# KiCad board central-control-unit.kicad_pcb (continued)
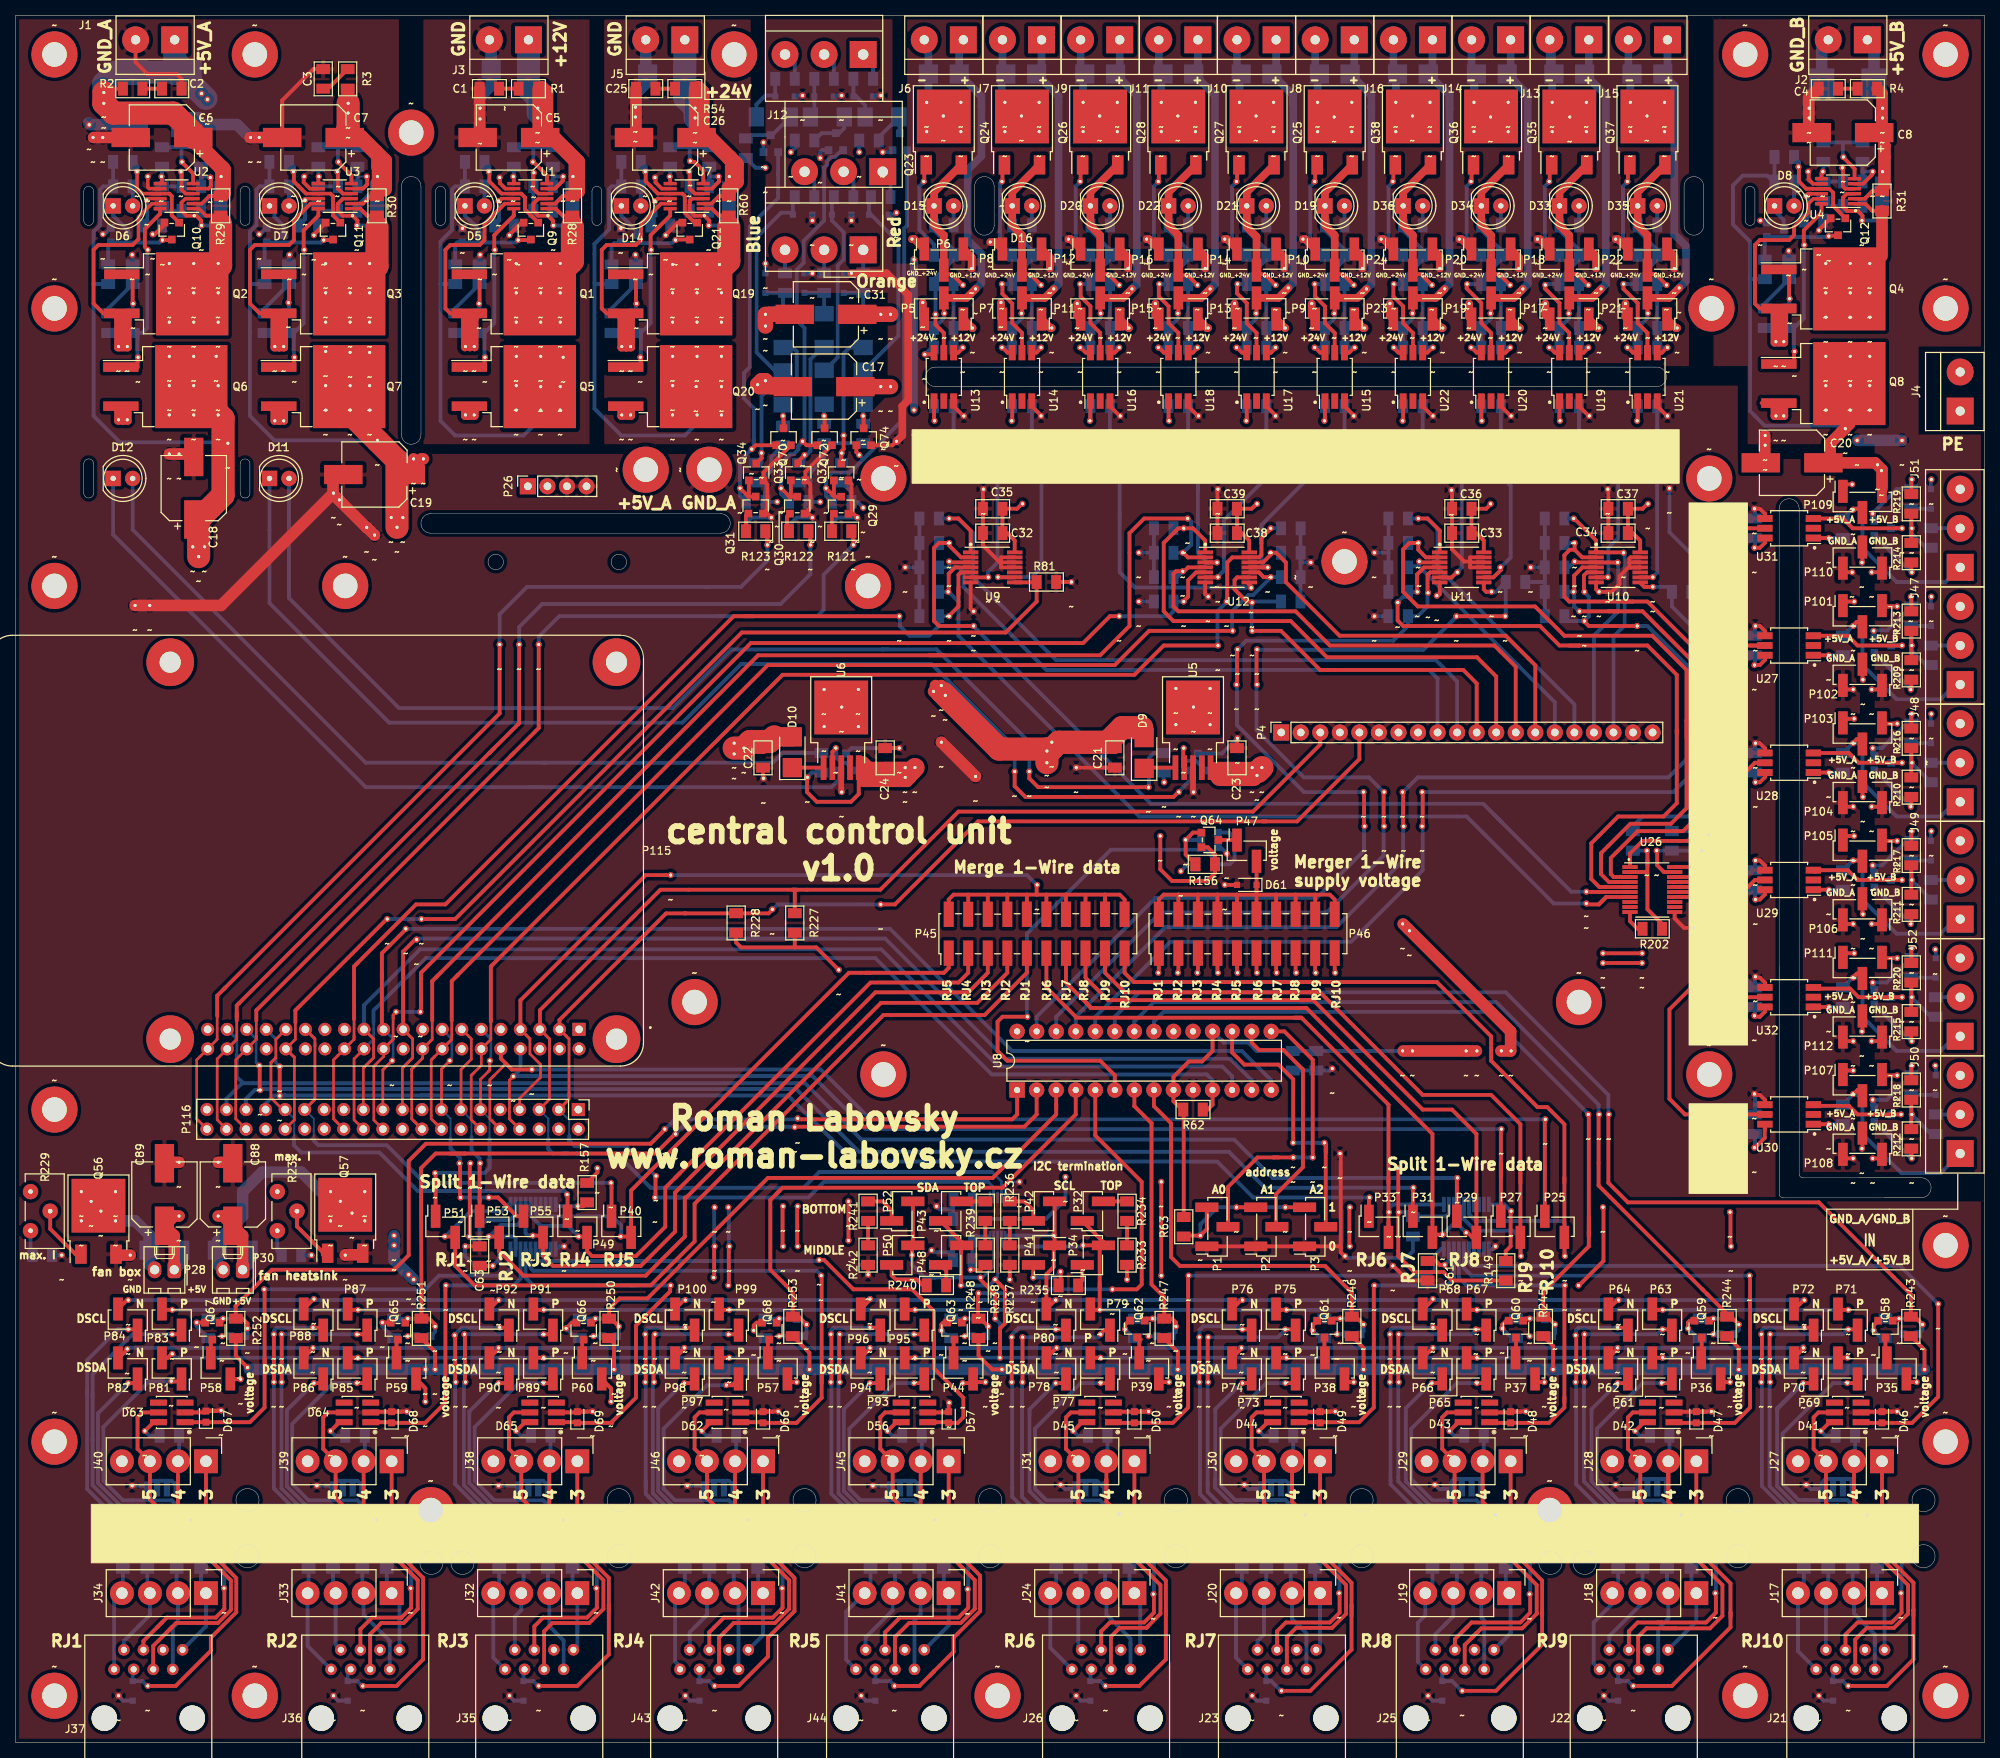
[diagram p0: board, top side]
## Routing (per net, layer and track width the routed paths; a pad name or vN(x,y) marks a point on that pad's centre or on a via; arc(x,y) is an arc through that point) (continued)
OUTDOOR_SENSOR_DSDA_N_CON: length 13.5
  Bottom w0.5: J44.7 116.84,15.92 117.64,16.72 J41.2 117.48,19.6 R195.1
OUTDOOR_SENSOR_DSDA_P_CON: length 12.1
  Bottom w0.5: R194.1 120.65,20.07 J41.1 121.29,15.24 J44.8
PCB_FREE1_3V3: length 93.6
  Top w0.25: 183.07,152.78 182.16,151.87
  Top w0.5: 179.62,148.26 179.62,145.88 180.34,145.16 198.12,145.16 200.66,142.62 203.2,142.62 ; U11.4 183.07,152.78 ; 215.9,131.19 215.9,131.64 ; 215.9,131.64 215.9,122.11 214.19,120.4 208.28,120.4 204.79,116.9 204.79,112.27 205.83,111.23 U26.5 ; 215.9,131.64 215.9,138.81 212.09,142.62 203.2,142.62 ; 182.16,150.78 182.16,151.87 183.05,152.76 ; 182.16,150.78 182.16,151.09 ; 182.16,150.78 182.16,149.61 ; 203.2,142.62 201.93,142.62
  Bottom w0.5: 179.62,148.26 R79.1 182.16,149.61
PCB_FREE2_3V3: length 95.5
  Top w0.25: 183.69,154.08 183.66,154.05
  Top w0.5: 217.17,132.91 217.17,139.45 212.73,143.89 201.3,143.89 197.49,147.7 182.25,147.7 180.34,149.61 180.34,155.13 181.17,155.96 ~#614.~ 182.31,155.07 183.29,154.08 U11.2 ; 217.17,132.91 217.17,130.56 ; 217.17,132.91 217.17,121.48 215.14,119.44 209.87,119.44 206.06,115.63 206.06,112.9 207.08,111.88 208.35,111.88 ; 208.35,111.88 207.91,111.88 ; 208.35,111.88 U26.4
  Bottom w0.5: 182.25,155.96 R78.1
PCB_FREE3_3V3: length 68.8
  Top w0.5: 207.01,147.07 208.28,147.07 ; U10.4 203.64,152.78 202.57,151.71 202.57,149.61 ; 208.28,147.07 203.2,147.07 ; 208.28,147.07 211.46,147.07 218.44,140.08 218.44,130.37 ; 218.44,130.37 218.44,129.92 ; 218.44,130.37 218.44,120.21 216.73,118.49 215.46,118.49 ; 215.9,118.49 215.46,118.49 ; 215.46,118.49 210.82,118.49 207.33,115 207.33,112.9 207.7,112.53 U26.3 208.67,112.53
  Bottom w0.5: 203.2,147.07 202.57,147.7 202.57,149.61 R76.1
PCB_FREE4_3V3: length 71.9
  Top w0.25: 202.57,155.68 202.57,155.96 ; U26.1 210.6,113.83
  Top w0.5: 216.09,117.22 217.36,117.22 219.71,119.57 219.71,129.73 ; 216.09,117.22 216.54,117.22 ; 216.09,117.22 211.46,117.22 209.82,115.59 U26.1 ; 219.71,129.73 219.71,129.29 ; 219.71,129.73 219.71,140.72 212.09,148.34 210.19,148.34 ; 202.63,155.07 201.99,155.07 201.3,154.37 201.3,148.97 201.93,148.34 210.19,148.34 ; 202.63,155.07 203.61,154.08 U10.2 ; 202.63,155.07 ~#606.~ ; 210.19,148.34 208.92,148.34
  Bottom w0.5: 202.57,155.96 R77.1
PCB_PUMP_UNDERFLOOR_HEATING_FIRST_FOOR_3V3: length 118.4
  Top w0.25: 122.95,152.78 U9.4
  Top w0.5: U9.4 122.11,152.78 121.29,151.96 121.29,149.61 ; U26.7 206.7,109.93 205.74,108.97 ; 206.7,109.88 205.79,108.97 204.15,108.97
  Bottom w0.5: 190.6,118.4 188.59,120.4 146.05,120.4 122.55,143.89 122.55,148.34 121.29,149.61 R74.1 ; 190.6,118.4 191.14,117.86 ; 190.6,118.4 199.9,109.09 ~#587.~
PCB_PUMP_UNDERFLOOR_HEATING_SECOND_FOOR_3V3: length 125.5
  Top w0.25: 205.78,110.58 ~#667.~ ; 121.29,155.68 121.29,155.96
  Top w0.5: U26.6 205.78,110.58 ; 119.38,148.97 119.38,155.32 R75.1 121.29,155.96 ; 119.38,148.97 119.38,148.34 ; 119.38,148.97 119.38,145.8 120.02,145.16 124.46,145.16 ; 121.29,155.68 122.89,154.08 U9.2 ; ~#667.~ 204.19,110.58 205.7,110.58
  Bottom w0.5: 192.18,120.62 202.18,110.62 ~#667.~ ; 192.18,120.62 193.29,119.51 ; 192.18,120.62 190.75,122.05 147.57,122.05 124.46,145.16 ; R75.1 121.29,155.96
RELAY_BOILER_3V3: length 31.1
  Top w0.5: 162.12,152.78 U12.11 161.85,152.78 ; 162.12,152.78 ~#617.~ ; 162.12,152.78 162.56,152.78
  Bottom w0.5: 161.93,155.96 161.93,156.59 ; 161.93,155.96 161.93,153.42 162.56,152.78 ~#617.~ ; 161.93,155.96 161.93,157.67 ; R102.1 172.72,169.1 161.93,158.31 161.93,157.67 ; 161.93,157.67 161.93,157.85
RELAY_FREE1_3V3: length 27
  Top w0.25: 185.13,151.51 185.1,151.48
  Top w0.5: 187.33,152.15 186.64,151.46 185.54,151.46 185.51,151.48 185.1,151.48
  Bottom w0.5: 187.33,152.15 187.96,152.78 187.96,164.02 182.88,169.1 182.88,170.37 ; 182.88,170.37 R136.1 ; 182.88,170.37 182.88,169.93
RELAY_FREE2_3V3: length 25
  Top w0.25: 190.85,151.51 190.82,151.48
  Top w0.5: 193.04,152.78 193.04,152.45 192.07,151.48 190.82,151.48
  Bottom w0.5: R134.1 193.04,164.66 194.31,163.39 194.31,154.05 193.04,152.78
RELAY_FREE3_3V3: length 30.4
  Top w0.25: 205.42,151.48 205.45,151.51 207.01,151.51
  Top w0.5: 205.42,151.48 206.92,151.48 ~#600.~
  Bottom w0.5: R133.1 203.2,169.29 206.15,166.34 ; 207.01,151.51 207.01,155.32 208.28,156.59 208.28,164.21 206.15,166.34 ; 206.15,166.34 204.47,168.02
RELAY_FREE4_3V3: length 25.8
  Top w0.25: 211.11,151.51 211.14,151.48 212.7,151.48 212.73,151.51
  Top w0.5: 211.14,151.48 212.76,151.48 ~#598.~
  Bottom w0.5: R135.1 213.36,152.08 ~#598.~
RELAY_PUMP_FIREPLACE_CELLAR_3V3: length 43.4
  Top w0.5: 160.29,150.78 160.26,150.74 160.26,150.64 160.66,150.24
  Bottom w0.5: 158.03,150.16 145.5,150.16 143.51,152.15 143.51,159.77 ; 158.03,150.16 160.57,150.16 160.66,150.24 ; 158.03,150.16 159.94,150.16 ; 143.51,159.13 143.51,159.77 ; 143.51,159.77 143.51,167.83 142.24,169.1 R103.1
RELAY_PUMP_FIREPLACE_FIRST_FLOOR_3V3: length 26.4
  Top w0.25: 156.21,153.42 154.63,153.42
  Top w0.5: U12.3 154.63,153.42 ~#624.~
  Bottom w0.5: 153.67,162.75 153.67,154.69 154.94,153.42 156.21,153.42 ; 153.67,162.75 153.67,167.83 152.4,169.1 R105.1 ; 153.67,162.75 153.67,163.39
RELAY_PUMP_FIREPLACE_SECOND_FLOOR_3V3: length 28.1
  Top w0.25: 156.21,151.51 156.18,151.48 154.62,151.48
  Top w0.5: ~#623.~ 156.24,151.48 154.62,151.48
  Bottom w0.5: R104.1 162.56,164.42 157.06,158.92 157.06,152.36 156.21,151.51
RELAY_PUMP_UNDERFLOOR_HEATING_FIRST_FOOR_3V3: length 28
  Top w0.25: 124.17,151.51 124.14,151.48
  Top w0.5: ~#343.~ 126.4,151.48 124.14,151.48
  Bottom w0.5: 123.19,168.66 123.6,168.24 ; 123.6,168.24 127.64,164.21 127.64,153.42 126.36,152.15 126.36,151.51 ; 123.6,168.24 121.92,169.93 R94.1
RELAY_PUMP_UNDERFLOOR_HEATING_SECOND_FOOR_3V3: length 29.9
  Top w0.25: 129.83,151.51 129.86,151.48
  Top w0.5: 129.86,151.48 127.73,151.48 ~#630.~
  Bottom w0.5: R95.1 132.08,169.1 133.35,167.83 133.35,152.78 132.08,151.51 127.64,151.51
RESET_1WIRE_CELLAR_FIREPLACE_SUPPLY: length 127.4
  Top w0.5: 130.18,84.2 130.18,81.66 129.54,81.03 101.6,81.03 ; R252.2 28.64,56.77 28.83,56.96 ; R252.2 29.53,55.12 30.16,54.48 ~#1027.~ ; R252.2 28.64,54.86 ; 84.45,79.76 82.55,77.85 53.34,77.85 51.12,75.63 51.12,63.37 49.21,61.47 33.34,61.47 28.83,56.96 ; 28.83,56.96 28.57,56.71
  Bottom w0.5: Q47.1 30.16,53.17 ~#1027.~ ; 101.6,81.03 85.72,81.03 84.45,79.76
RESET_1WIRE_FIRST_FLOOR_FIREPLACE_SUPPLY: length 111.8
  Top w0.5: 132.72,84.2 132.72,81.66 131.12,80.06 101.29,80.06 ; 56.52,76.58 58.42,76.58 ; 58.42,76.58 83.19,76.58 85.72,79.12 ; 58.42,76.58 54.61,76.58 52.7,74.68 52.76,58.68 ; 52.76,58.68 52.77,58.67 R251.2 53.78,55.12 54.55,54.36 ~#1029.~ ; 52.76,58.68 52.77,57.66
  Bottom w0.5: 85.72,79.12 86.67,80.06 101.29,80.06 ; Q48.1 54.55,53.42 ~#1029.~
RESET_1WIRE_FREE1_SUPPLY: length 35.1
  Top w0.5: U8.7 145.42,82.74 147.63,80.52 147.64,80.52 147.64,59.56 149.29,57.91 R247.2 150.3,55.12 150.81,54.61 ~#1047.~
  Bottom w0.5: ~#1047.~ 150.81,53.42 Q43.1
RESET_1WIRE_FREE2_SUPPLY: length 55.9
  Top w0.5: 170.18,61.98 151.32,61.98 150.18,63.12 150.18,80.52 147.96,82.74 U8.8 ; 170.18,61.98 171.13,61.03 ; 170.18,61.98 173.67,58.48 R246.2 174.18,55.37 ~#1052.~
  Bottom w0.5: ~#1052.~ 175.2,53.47 Q42.1
RESET_1WIRE_FREE3_SUPPLY: length 99.4
  Top w0.5: 204.47,81.66 204.47,66.42 ; 204.47,66.42 204.47,64.52 198.56,58.61 R245.2 199.07,55.37 ~#1055.~ ; 204.47,66.42 204.47,65.79 204.47,68.33
  Bottom w0.5: ~#1055.~ 200.09,53.22 Q41.1 ; 204.47,81.66 191.14,95 149.23,95 147.96,93.73 U8.21
RESET_1WIRE_FREE4_SUPPLY: length 106.6
  Top w0.5: ~#1057.~ 222.95,55.37 R244.2 222.44,55.72 219.82,58.34 ; 205.74,81.66 205.74,72.42 219.22,58.94 ; 219.82,58.34 219.22,58.94 ; 219.82,58.34 220.03,58.13 ; 219.22,58.94 219.36,58.8
  Bottom w0.5: Q40.1 223.96,53.68 ~#1057.~ ; 205.74,81.66 205.74,82.93 192.41,96.27 147.96,96.27 145.42,93.73 U8.22
RESET_1WIRE_FREE5_SUPPLY: length 137.1
  Top w0.5: 243.96,60.63 236.72,67.87 ; 243.96,60.63 246.32,58.27 R243.2 246.82,55.37 ~#1061.~ ; 243.96,60.63 244.16,60.44 ; 236.72,67.87 234.36,70.23 209.55,70.23 207.01,72.77 207.01,81.66 ; 236.72,67.87 236.88,67.71
  PWR.Cu w0.5: 142.24,91.82 142.88,91.82
  Bottom w0.5: ~#1061.~ 247.84,53.68 Q39.1 ; 207.01,81.66 207.01,84.2 193.68,97.54 146.05,97.54 142.88,94.36 U8.23
RESET_1WIRE_HOT_WATER_TANK_SUPPLY: length 68.5
  Top w0.5: 98.74,71.18 99.28,71.72 ; 99.28,71.72 98.11,70.55 98.11,61.47 101.03,58.55 R253.2 101.79,55.37 ~#216.~ ; 99.28,71.72 99.69,72.14 128.27,72.14 137.8,81.66 U8.4
  Bottom w0.5: Q46.1 102.81,53.17 ~#216.~
RESET_1WIRE_MERGE_CONNECTION_SUPPLY: length 75.3
  Top w0.5: 131.45,94.36 128.27,94.36 127.64,93.73 127.64,89.92 128.91,88.65 140.97,88.65 142.88,86.74 U8.6
  Bottom w0.5: 131.45,94.36 131.45,105.16 142.37,116.08 154.62,116.08 155.89,114.81 R249.2 157.8,114.17 158.43,114.81 158.43,117.6 157.74,118.3 Q45.1
RESET_1WIRE_OUTDOOR_SENSOR_SUPPLY: length 55.3
  Top w0.5: ~#994.~ 145.73,58.93 146.37,59.56 146.37,72.9 140.34,78.93 U8.5 ; 125.09,55.63 125.09,58.36 ~#1000.~ ; ~#1041.~ 125.41,55.12 R248.2
  Bottom w0.5: ~#1000.~ 131.25,58.42 131.76,58.93 ~#994.~ ; ~#1041.~ 126.43,53.09 Q44.1
RESET_1WIRE_SECOND_FLOOR_FIREPLACE_SUPPLY: length 76.7
  Top w0.5: 135.26,82.93 135.26,81.66 127,73.41 97.79,73.41 86.37,61.99 86.37,61.98 82.14,57.75 78.51,57.75 77.15,56.39 R250.2 77.41,55.12 ~#1032.~ ; 135.26,82.93 U8.3 ; 135.26,82.93 135.26,82.3
  Bottom w0.5: ~#1032.~ 78.42,53.09 Q49.1
RPI_BLUE_LED_3V3: length 128.2
  Top w0.35: 26.23,94.74 26.23,91.44 26.16,91.38 26.16,91.36 P115.40 23.56,88.75 23.56,81.09 P116.40
  Top w0.5: 26.23,94.49 26.23,97.09 27.27,98.14 ; ~#1112.~ 97.73,157.48 ; 27.27,98.14 62.93,133.79 ~#773.~ ; 27.27,98.14 27.02,97.89
  Bottom w0.5: 89.73,150.24 66.48,150.24 62.93,146.69 ~#773.~ ; 89.73,150.24 94.3,150.24 97.73,153.67 ~#1112.~ 97.73,157.23 R123.2 ; 89.73,150.24 90.17,150.24
RPI_BOILER_3V3: length 158.7
  Top w0.35: 61.79,94.28 61.79,91.42 60.55,90.18 60.55,88.04 59.63,87.12 ; 59.28,80.93 P116.12 59.24,80.97 59.24,86.73 59.63,87.12 ; 59.44,86.93 59.28,86.77 ; 59.44,86.93 59.63,87.12 ; 59.44,86.93 59.3,86.8
  Top w0.5: 156.21,142.62 149.23,142.62 145.42,138.81 99.69,138.81 61.79,100.9 61.79,93.73 ; 157.48,148.34 157.48,153.42 158.15,154.08 U12.13 161.59,154.08 161.93,154.41 161.93,156.59 163.2,157.86
  Bottom w0.5: 157.48,148.34 156.21,147.07 156.21,142.62 ; 163.2,157.86 R93.1
RPI_FREE1_3V3: length 124.7
  Top w0.25: 183.6,151.88 183.59,151.88 183.52,151.81
  Top w0.5: 183.6,151.88 183.85,152.13 U11.5 ; 183.52,151.81 183.52,149.61 ; 175.26,119.13 175.26,123.57 ; 183.68,151.97 183.59,151.88 ; 158.75,137.54 158.75,142.07
  Bottom w0.5: U8.27 132.72,94.36 148.18,109.82 169.13,109.82 175.26,115.95 175.26,119.13 ; 175.26,123.57 167.45,123.57 158.75,132.27 158.75,137.54 ; 158.75,142.07 159.94,143.26 179.07,143.26 180.98,145.16 R85.1 182.25,146.43 183.52,147.7 183.52,149.61
RPI_FREE2_3V3: length 134.7
  Top w0.5: 177.8,119.13 177.8,123.57 ; 161.29,137.54 161.29,142.07 ; 187.33,146.43 193.68,146.43 ; 191.77,149.61 191.14,149.61 190.82,149.92 190.82,150.78
  Bottom w0.5: 191.77,149.61 192.41,149.61 R84.1 193.68,146.43 ; U8.26 135.26,94.36 148.81,107.92 170.4,107.92 177.8,115.32 177.8,119.13 ; 187.33,146.43 182.96,142.07 161.29,142.07 ; 177.8,123.57 175.9,125.48 167.45,125.48 161.29,131.64 161.29,137.54
RPI_FREE3_3V3: length 138.4
  Top w0.5: 180.34,119.13 180.34,123.57 ; 203.84,149.61 203.84,151.73 204.23,152.13 U10.5 ; 210.82,145.16 204.47,145.16 203.84,145.8
  Bottom w0.5: 180.34,119.13 180.34,114.68 171.67,106.01 149.45,106.01 137.8,94.36 U8.25 ; 203.84,149.61 204.47,148.97 204.47,146.43 203.84,145.8 201.93,145.8 ; 180.34,123.57 182.25,125.48 214.82,125.48 217.17,127.83 217.17,140.08 212.09,145.16 210.82,145.16
RPI_FREE4_3V3: length 127.9
  Top w0.5: 212.73,150.24 211.68,150.24 211.14,150.78 ; 182.88,119.13 182.88,123.57
  Bottom w0.5: 182.88,123.57 215.46,123.57 219.08,127.19 219.08,143.89 215.27,147.7 R83.1 ; 214.63,150.24 212.73,150.24 ; 182.88,119.13 182.88,113.41 173.58,104.11 150.08,104.11 140.34,94.36 U8.24
RPI_ORANGE_LED_3V3: length 134.6
  Top w0.25: 28.7,93.85 28.7,94.49
  Top w0.35: 28.77,94.23 28.77,91.42 P115.38 ; P115.38 26.23,88.88 26.23,80.96 P116.38 ; P115.38 28.7,91.36
  Top w0.5: 28.77,94.87 28.77,94.36 ; 28.77,94.36 28.77,95.82 61.59,128.65 ; 28.77,94.36 28.77,93.85 ; 61.59,128.65 62.23,129.29 ; 61.59,128.65 65.47,132.52 ~#772.~ ; ~#1111.~ 103.31,157.48 ; 103.06,157.23 102.81,157.48
  Bottom w0.5: R122.2 103.31,157.23 ~#1111.~ 103.31,151.89 99.44,148.02 68.45,148.02 65.47,145.03 ~#772.~
RPI_PUMP_FIREPLACE_CELLAR_3V3: length 159.1
  Top w0.35: 56.64,91.36 P115.16 ; P115.16 56.71,91.42 56.71,93.85 ; P115.16 54.43,89.14 ; 54.43,89.14 54.04,88.75 54.04,81.09 P116.16 54.22,80.91 ; 54.43,89.14 54.22,88.93
  Top w0.5: 158.12,144.53 147.32,144.53 142.88,140.08 97.79,140.08 57.5,99.79 ; 57.5,99.79 57.15,99.44 ; 57.5,99.79 56.71,99 56.71,93.85 ; 163.2,151.51 162.21,151.51 161.59,152.13 U12.10
  Bottom w0.5: R92.1 163.2,151.51 160.87,149.19 160.24,149.19 158.12,147.07 158.12,144.53
RPI_PUMP_FIREPLACE_FIRST_FLOOR_3V3: length 167.8
  Top w0.25: 54.1,93.85 54.1,95.12
  Top w0.35: 54.17,93.85 54.17,91.42 P115.18 ; 51.68,87.73 52.05,88.1 ; 52.05,88.1 51.5,87.55 51.5,81.09 P116.18 51.68,80.91 ; 52.05,88.1 52.93,88.98 P115.18 ; 54.1,91.36 P115.18
  Top w0.5: 54.83,99.66 54.61,99.44 ; 54.83,99.66 96.52,141.35 120.65,141.35 ; 54.83,99.66 54.17,99 54.17,93.85 ; 152.4,159.13 146.69,159.13 144.78,157.23 144.78,145.16 140.97,141.35 120.65,141.35 ; 120.65,141.35 118.74,141.35 ; U12.2 152.37,154.08 151.77,154.69
  Bottom w0.5: 152.4,159.13 152.8,158.73 152.8,155.72 151.77,154.69 R90.1
RPI_PUMP_FIREPLACE_SECOND_FLOOR_3V3: length 155
  Top w0.25: 47.85,90.18 49.02,91.36
  Top w0.35: ~#375.~ 49.09,94.62 49.09,94.11 ; 47.85,90.18 49,91.33 ; 47.85,90.18 49.09,91.42 49.09,94.11 ; 47.85,90.18 47.85,89.18 46.58,87.92 46.58,80.93 P116.22 ; 49.09,94.11 49.09,94.53
  Top w0.5: 52.7,96.27 52.7,95 ; 52.7,96.27 52.7,100.08 95.57,142.94 138.75,142.94 142.24,146.43 143.51,146.43 ; 52.7,96.27 52.7,96.9 ; 151.77,148.34 152.4,148.97 152.4,151.1 153.43,152.13 U12.5
  Bottom w0.5: 143.51,146.43 149.86,146.43 150.5,147.07 R91.1 151.77,148.34 ; 49.53,95 52.7,95
RPI_PUMP_UNDERFLOOR_HEATING_FIRST_FOOR_3V3: length 138.4
  Top w0.25: 122.55,150.24 122.55,148.34
  Top w0.35: P115.26 41.34,88.75 41.34,81.09 P116.26 41.52,80.91 ; P115.26 44.01,91.42 44.01,91.82 ; P115.26 41.52,88.93 ; 44.01,91.82 44.01,94.05 ; 44.01,91.82 44.01,91.55
  Top w0.5: 44.42,101.31 52.07,108.97 55.88,108.97 93.34,146.43 95.89,146.43 ; 44.42,101.31 44.13,101.03 ; 44.42,101.31 44.01,100.9 44.01,94.05 ; 121.29,146.43 122.55,147.7 122.55,149.29 ; 114.94,146.43 95.89,146.43 ; 95.89,146.43 94.61,146.43 ; 122.55,149.29 122.55,151.83 122.86,152.13 U9.5 ; 122.55,149.29 122.55,150.24
  Bottom w0.5: 121.29,146.43 R80.1 120.02,145.16 118.74,143.89 116.2,143.89 114.94,145.16 114.94,146.43
RPI_PUMP_UNDERFLOOR_HEATING_SECOND_FOOR_3V3: length 143.9
  Top w0.25: 129.91,150.88 U9.8 ; P115.32 36.32,91.36
  Top w0.35: P115.32 36.23,89.1 ; P115.32 36.2,89.12 ; P115.32 36.39,91.42 36.39,93.6 ; 36.26,80.91 36.26,89.12 ; 36.2,80.91 P116.32
  Top w0.5: 48.26,107.06 36.39,95.19 36.39,93.6 ; 52.7,107.06 57.15,107.06 94.4,144.31 128.69,144.31 132.72,148.34 R81.1 132.67,150.83 U9.8
  Bottom w0.5: 52.7,107.06 48.26,107.06
RPI_RED_LED_3V3: length 134.8
  Top w0.35: 31.31,91.82 31.31,91.55 ; 31.31,91.82 31.31,91.42 28.64,88.75 28.64,81.09 P116.36 ; 31.31,91.82 31.31,94.04
  Top w0.5: 64.45,128.33 31.31,95.19 31.31,93.85 ; 64.45,128.33 68.01,131.89 ~#442.~ ; 64.45,128.33 64.77,128.65 ; 108.9,157.48 ~#1110.~
  Bottom w0.5: 91.25,146.43 92.08,146.43 ; 91.25,146.43 70.68,146.43 68.01,143.76 ~#442.~ ; 91.25,146.43 104.2,146.43 105.03,147.26 105.03,151.83 ~#1110.~ 108.9,157.23 R121.2
SECOND_FLOOR_FIREPLACE_DSCL_N_CON: length 14
  Bottom w0.5: J35.1 62.11,11.05 J32.4 62.86,20.19 R193.1
SECOND_FLOOR_FIREPLACE_DSCL_P_CON: length 11
  Bottom w0.5: R192.1 66.04,19.73 J32.3 65.75,17.23 64.9,16.38 J35.2
SECOND_FLOOR_FIREPLACE_DSDA_N_CON: length 13.9
  Bottom w0.5: R191.1 69.22,19.6 J32.2 69.39,15.13 71.25,13.27 J35.7
SECOND_FLOOR_FIREPLACE_DSDA_P_CON: length 12.3
  Bottom w0.5: J35.8 73.02,12.57 73.02,15.62 ; 73.02,15.62 73.02,14.35 ; 73.02,15.62 J32.1 72.39,20.07 R190.1
SPI_CLK: length 141.6
  Top w0.35: 45.93,92.1 P115.23 ; 45.93,92.1 46.55,91.48 46.55,89.03 45.21,87.69 ; 45.93,92.1 46.48,91.55 ; 45.21,87.69 46.48,88.96 ; 45.21,87.69 P116.23
  Bottom w0.5: U8.12 158.12,86.61 156.84,87.88 127.76,87.88 112.52,103.12 52.58,103.12 45.31,95.85 P115.23
SPI_CS: length 142.5
  Top w0.35: P115.24 44.04,88.91 ; 44.04,80.93 P116.24 ; 44.01,88.91 44.01,80.93
  Top w0.5: U8.11 155.58,82.93 154.94,82.3 R62.2
  Bottom w0.35: 46.48,91.36 P115.24 46.55,91.42 46.55,93.6
  Bottom w0.5: 155.58,85.6 U8.11 155.58,86.11 154.81,86.87 126.87,86.87 111.76,101.98 53.34,101.98 46.55,95.19 46.55,93.6
SPI_MISO: length 157.7
  Top w0.25: 48.89,88.65 47.75,87.5 P116.21
  Top w0.35: ~#369.~ 47.75,87.44 P116.21
  Top w0.5: 47.62,100.08 47.62,99.44 ; 47.62,99.44 47.62,92.94 47.85,92.72 ; 47.62,99.44 47.62,102.62 50.8,105.79
  Bottom w0.25: 49.02,91.55 47.85,92.72 ; 48.89,88.65 49.02,88.77
  Bottom w0.35: 49.09,88.69 49.09,91.48 47.85,92.72 ; ~#369.~ 49,88.69
  Bottom w0.5: 58.42,105.79 113.66,105.79 129.54,89.92 159.39,89.92 163.2,86.11 U8.14 ; 58.42,105.79 57.78,105.79 ; 58.42,105.79 50.8,105.79
SPI_MOSI: length 146.8
  Top w0.35: P116.19 50.29,87.7 ; 50.29,87.7 51.63,89.03 51.63,91.48 P115.19 51.56,91.55 ; 50.29,87.7 51.56,88.96
  Top w0.5: 50.8,93.13 P115.19 50.39,102.84 52.07,104.52
  Bottom w0.5: U8.13 160.66,86.11 157.86,88.9 128.65,88.9 113.03,104.52 60.33,104.52 ; 60.33,104.52 52.07,104.52 ; 60.33,104.52 59.05,104.52
SWITCH_BOILER_3V3: length 55.4
  Top w0.25: 163.2,154.49 163.2,154.69
  Top w0.5: U12.12 162.14,153.43 163.2,154.49 ; P4.14 197.52,140.05 193.68,143.89 172.09,143.89 165.1,150.88 165.1,153.42 163.83,154.69 163.2,154.69
  Bottom w0.5: 163.2,154.69 R89.1
SWITCH_FREE1_3V3: length 34.1
  Top w0.5: ~#613.~ 182.55,153.43 U11.3
  Bottom w0.5: P4.15 200.06,135.25 195.18,140.13 ; 182.37,152.93 182.44,152.99 ~#613.~ ; 182.37,152.93 195.18,140.13 ; 182.37,152.93 181.13,152.93 R73.1 ; 195.18,140.13 195.4,139.9
SWITCH_FREE2_3V3: length 44.5
  Top w0.5: 185.1,154.78 185.1,157.55 183.52,159.13 182.25,159.13
  Bottom w0.5: R72.1 183.52,159.13 184.79,157.86 184.79,152.79 191.78,145.8 191.78,145.79 202.59,134.97 P4.16
SWITCH_FREE3_3V3: length 31.4
  Top w0.25: 202.74,153.43 ~#605.~ ; 205.43,153.42 U10.3
  Top w0.5: 208.28,153.42 205.43,153.42 ; U10.3 202.74,153.43
  Bottom w0.5: 206.6,145.38 208.28,147.07 208.28,153.42 ; 206.6,145.38 205.14,143.92 P4.17 ; 206.6,145.38 206.12,144.91 ; R70.1 201.87,152.78 ~#605.~
SWITCH_FREE4_3V3: length 35.2
  Top w0.25: 205.46,154.69 U10.1
  Top w0.5: 202.57,159.13 205.42,156.28 U10.1 208.93,154.73 ~#602.~
  Bottom w0.5: 208.92,154.69 209.13,154.47 209.13,145.25 ; 209.13,145.25 208.66,144.78 ; 209.13,145.25 207.68,143.79 P4.18 ; R71.1 202.57,159.13
SWITCH_PUMP_FIREPLACE_CELLAR_3V3: length 52.8
  Top w0.5: 160.66,148.34 160.02,148.34 158.43,149.92 158.43,151.13 158.78,151.48 160.34,151.48 ; 170.82,139.45 170.18,139.45 ; 170.82,139.45 188.15,139.45 189.9,137.7 P4.11 ; 170.82,139.45 169.55,139.45 164.47,144.53 160.66,144.53
  Bottom w0.5: R88.1 160.66,148.34 160.66,144.53
SWITCH_PUMP_FIREPLACE_FIRST_FLOOR_3V3: length 73
  Top w0.25: 154.57,154.69 U12.1
  Top w0.5: 154.62,154.78 154.62,156.28 153.04,157.86 151.13,157.86 150.81,157.54 ; 150.81,157.54 149.23,155.96 149.23,147.07 150.5,145.8 165.74,145.8 170.43,141.1 189.93,141.1 192.44,138.59 P4.12 ; 150.81,157.54 150.5,157.23
  Bottom w0.5: R86.1 151.77,157.86
SWITCH_PUMP_FIREPLACE_SECOND_FLOOR_3V3: length 67.6
  Top w0.5: 150.5,150.05 150.5,147.7 151.13,147.07 166.37,147.07 170.82,142.62 192.21,142.62 193.04,141.8 ; 150.5,150.05 150.5,151.96 150.81,152.27 ~#628.~ ; 150.5,150.05 150.5,150.88 ; U12.4 152.4,152.78 151.77,152.15 ; 193.04,141.8 192.82,142.02 ; 193.04,141.8 194.98,139.86 P4.13
  Bottom w0.5: R87.1 150.94,151.51 ~#628.~
SWITCH_PUMP_UNDERFLOOR_HEATING_FIRST_FOOR_3V3: length 82.5
  Top w0.5: U9.3 121.46,153.43 ~#345.~
  Bottom w0.5: 121.29,152.78 122.55,152.78 123.19,152.15 123.19,150.24 133.99,139.45 183.71,139.45 184.82,138.34 P4.9 ; 121.29,152.78 R68.1 ; 121.29,152.78 121.35,152.84 ~#345.~
SWITCH_PUMP_UNDERFLOOR_HEATING_SECOND_FOOR_3V3: length 92.4
  Top w0.5: 124.14,154.78 124.14,157.55 122.55,159.13 121.29,159.13
  Bottom w0.5: P4.10 187.36,137.96 184.59,140.72 135.26,140.72 134.31,141.66 134.3,141.66 124.45,151.51 124.45,157.23 122.55,159.13 R69.1
SYS_+3V3: length 1039.2
  Top w0.5: 75.65,74.68 75.65,74.12 R157.1 74.93,72.77 ; 59.05,65.79 59.05,75.31 ; ~#1060.~ 248.09,51.05 R243.1 ; 179.71,74.68 179.71,63.25 181.78,61.17 185.59,61.17 186.69,60.07 R149.1 ; 77.79,49.15 77.79,50.16 ; 77.79,50.16 ~#1037.~ ; 77.79,50.16 77.79,51.94 R250.1 ; 212.09,114.68 212.09,115.95 ; 212.09,114.68 212.09,114.05 ; 212.09,114.68 212.09,108.33 214,106.43 R202.1 ; R227.1 101.28,103.38 ; 101.28,103.38 94.3,103.38 93.66,104.01 R228.1 ; 101.28,103.38 104.08,103.38 ~#342.~ ; U8.18 155.58,89.92 154.21,88.55 152.5,88.55 150.5,86.55 U8.9 150.5,83.38 151.57,82.3 R62.1 ; R246.1 175.2,51.31 175.2,48.77 ; 211.23,113.18 211.86,113.18 ; R62.1 151.45,81.98 ; R62.1 151.83,82.23 R63.1 ; 129.86,154.78 129.86,156.27 128.91,157.23 C32.2 C35.1 130.18,160.4 130.81,161.04 ; R253.1 103.19,50.67 ~#1045.~ ; ~#1048.~ 151.07,50.8 R247.1 ; U6.5 109.59,123.31 108.58,122.3 104.14,122.3 102.87,123.57 102.87,125.48 ; R252.1 28.64,50.29 ~#1033.~ ; ~#1058.~ 223.96,51.31 R244.1 ; 53.21,52.13 54.55,50.8 ~#1036.~ ; 53.21,52.13 R251.1 ; 53.21,52.13 54.04,51.31 ; 160.34,154.78 160.34,156.27 159.39,157.23 158.75,157.23 158.75,160.4 160.66,160.4 161.29,161.04 ; ~#1042.~ 126.94,48.51 125.16,50.29 R248.1 ; U26.2 211.22,113.18 ; ~#1053.~ 199.83,51.56 R245.1 ; 191.77,161.04 191.14,160.4 C36.1 C33.2 189.87,157.23 190.82,156.27 190.82,154.78 ; 212.09,161.04 211.46,160.4 C37.1 C34.2 210.19,157.23 211.14,156.27 211.14,154.78
  Top w1.5: 193.04,89.92 194.31,89.92 194.31,92.46 180.34,106.43 ; 110.17,127.51 110.81,126.87 110.81,126.24 110.17,125.6 ; 180.34,89.92 189.87,89.92 ; 110.17,124.97 115.89,124.97 116.4,125.48 116.4,126.24 ; C24.1 115.57,126.75 ; C24.1 116.84,126.75 ; C24.1 111.12,126.75
  Top w2.5: 110.81,126.24 116.4,126.24 ~#352.~
  PWR.Cu w0.5: 59.05,75.31 59.05,75.95 59.69,76.58 ; 212.09,115.95 212.09,117.86 214,119.76 ; 52.77,49.78 52.77,51.56 ; 52.77,51.56 52.77,50.42 ; 52.77,51.56 52.77,52.2 ; ~#308.~ 127.22,82.77 127.22,87.6 128.27,88.65 130.18,88.65 ; 179.71,74.68 179.71,89.28 180.34,89.92
  PWR.Cu w1.5: 212.73,118.49 217.81,123.57 217.81,133.73 ; 140.97,161.04 214,161.04 217.81,157.23 217.81,133.73 ; 140.97,161.04 139.7,161.04 139.7,145.16 121.29,126.75 ; 140.97,161.04 130.81,161.04 ; 217.81,133.73 217.81,132.46 ; 78.96,78.71 93.66,93.41 100.01,93.41 120.02,113.41 ; 78.96,78.71 78.11,77.85 ; 78.96,78.71 77.6,77.34 56.2,77.34 ; ~#1036.~ ~#1068.~ 52.77,49.02 52.77,50.42 ; 121.29,126.75 116.4,126.75 116.4,126.24 ~#1144.~ ; 121.29,126.75 121.29,114.68 120.02,113.41 ; 56.2,77.34 54.29,77.34 49.21,72.26 ~#1034.~ ~#1067.~ ; 56.2,77.34 55.31,77.34 ; 120.02,113.41 120.1,113.33 163.91,113.33 ; 163.91,113.33 165.02,113.33 ; 163.91,113.33 173.44,113.33 ~#341.~ ; 188.59,89.92 194.31,89.92 ; 52.77,49.78 52.77,59.18 ~#1035.~ ; 130.18,88.65 167.01,88.65 168.28,89.92 181.61,89.92 ; ~#352.~ ~#393.~
  Bottom w0.25: C60.2 181.7,68.42 ; 65,68.69 64.64,68.33 ; U24.2 65,68.71 ; 124.71,70.87 C64.1
  Bottom w0.35: U25.1 124.71,70.87
  Bottom w0.5: 180.98,68.33 C60.2 180.98,68.96 179.71,68.96 ; 59.05,65.79 C62.2 60.33,67.06 61.18,67.91 64.21,67.91 65,68.71 ; 181.7,68.42 185.93,68.42 186.29,68.77 U23.2 ; U24.2 65,68.69 ; ~#308.~ 136.46,70.61 133.92,68.07 C65.1 124.4,70.55 C64.1 ; 212.09,115.95 C68.2 ; 102.87,125.48 103.5,126.11 R53.1 ; 180.34,89.92 C29.1 C30.1 161.29,89.92 160.2,91.01 157.03,91.01 U8.18 ; 174.69,48.51 174.94,48.51 ; R249.1 152.34,114.17 ~#1062.~ ; 80.07,48.51 78.42,48.51 ; 127.95,48.77 ~#1042.~ ; 133.92,48.51 132.78,48.51
  Bottom w1: ~#1033.~ 30.42,48.51
  Bottom w1.5: 103.44,48.51 ~#1042.~ ~#1048.~ ~#1053.~ ~#1058.~ ~#1060.~ ; ~#1034.~ 49.21,62.74 ~#1035.~ 51.72,60.23 ; ~#1045.~ 30.42,48.51
SYS_+5V: length 325.3
  Top w1.5: 93.34,129.29 C22.1 98.01,130.14 ; 23.81,159 24.83,159 27.62,161.8 27.62,171.51 ; 23.11,176.02 Q6.3
  Top w2.5: D10.2 98.61,130.75
  Top w3: 94.61,129.29 95.47,130.14 98.01,130.14 98.61,130.75 ; ~#774.~ 23.81,159 26.99,162.18 26.99,172.15 Q6.3 ; ~#350.~ 93.41,129.29
  PWR.Cu w1: ~#774.~ 23.81,155.45
  PWR.Cu w1.5: 67.69,166.37 81.03,166.37 ~#11.1 ; 67.69,166.37 58.04,166.37 54.29,162.62 46.86,162.62 31.11,146.88 ; 67.69,166.37 67.69,163.32 ; 31.11,146.88 ~#774.~ ; 31.11,146.88 38.1,139.89 ; 67.69,164.47 67.69,163.32 ; 67.69,163.32 69.09,163.32 ; 67.69,163.32 66.55,163.32 ; 81.91,164.85 81.28,164.85 ; 51.43,129.29 50.8,129.29 ; 51.43,129.29 49.34,129.29 ; 51.43,129.29 ~#350.~